# Altium PCB Discharge_C2.PcbDoc (part 2 of 2)
Units mm, origin at the board's own origin, x right, y up, seen from the top; angles counter-clockwise.
Board outline 166.97 x 82.45 mm, 4 copper layers (Top Layer, GND, PWR, Bottom Layer), stack 1.369 mm thick; 186 components, 113 nets, 591 pads, 287 vias.
Unrouted connection lines stored in the file: 8.
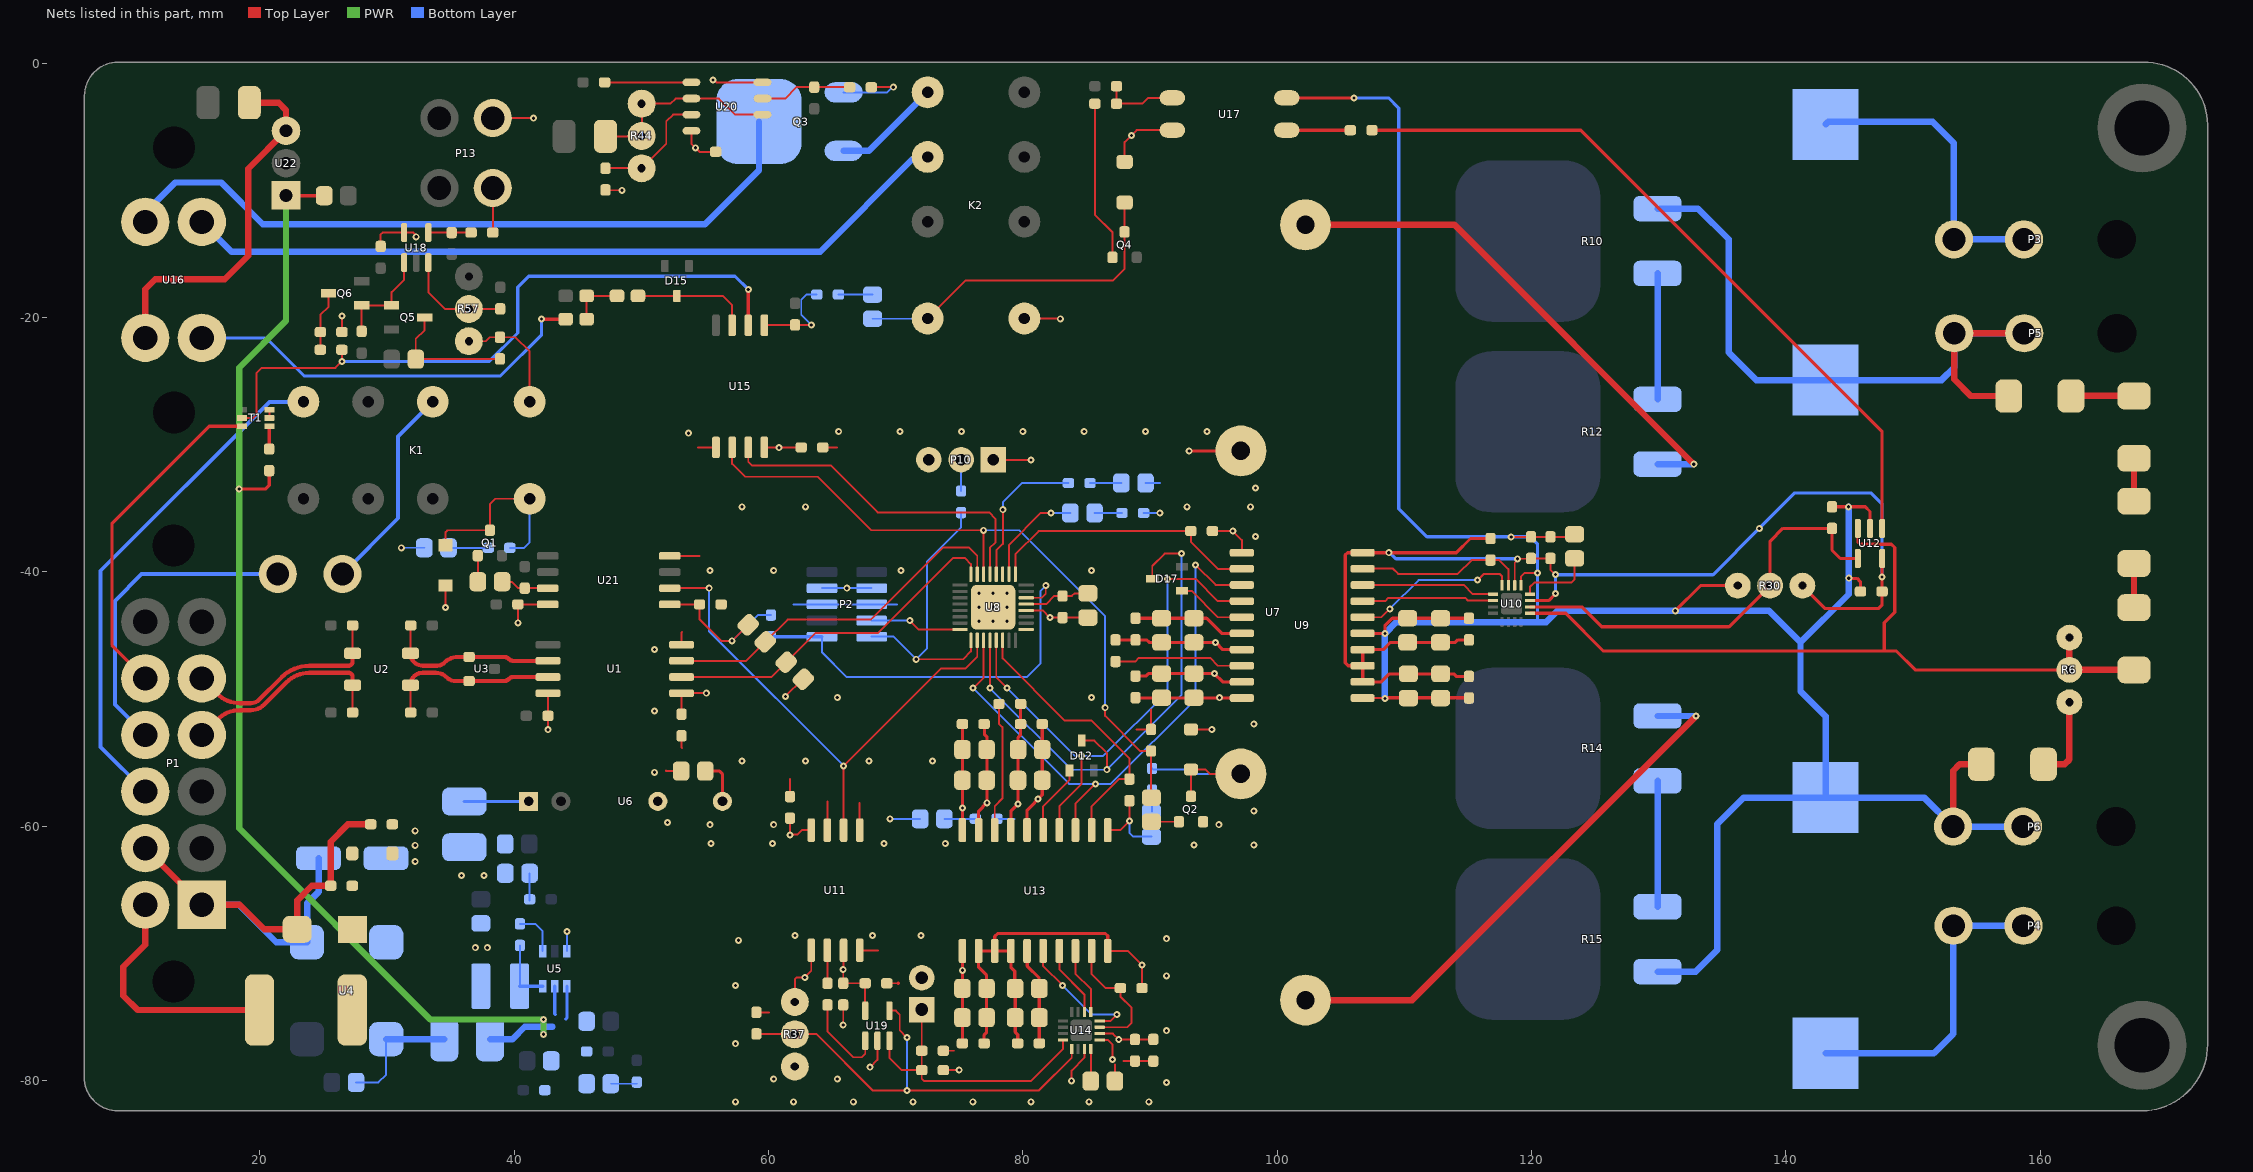
[diagram p4: the nets of this part, all layers, seen from the top]

## Via types
v1: diameter 0.55, hole 0.25, Top Layer to Bottom Layer, tented both sides, 287 vias

## Nets (pads, with @x,y where several pads share a name; then routed paths per layer and width w, separated by ;. In a path a pad name is that pad's centre, name@x,y a point inside that pad or via, vN(x,y) a via of type N, cw(c..) or ccw(c..) an arc to the next point about the centre after c; other vN are vias at no path point) (continued)
0V_(ISO): C2.1 C22.1 C23.1 C24.1 C26.1 C28.1 C29.1 C30.1 C31.1 C35.1 C40.1 C41.1 C48.1 C61.1 C62.1 C63.1 C64.1 C65.1 C66.1 D11.K P2.5 P2.6 P10.3 Q2.S R7.1 R35.2 U1.4 U6.5 U8.5 U9.6 U9.10 U11.5 U11.7 U13.6 U13.10 U15.5 U21.4 | length 66.9
  Top Layer w0.152: 51.943,-55.626 51.969,-55.652 C26.1@53.14,-55.652 ; U21.4@52.247,-38.735 54.585,-38.735 ; C2.1@53.172,-52.881 53.172,-53.807 53.213,-53.848 ; U1.4@53.172,-45.72 53.172,-44.745 53.213,-44.704 ; 54.483,-30.226 54.509,-30.2 U15.5@55.88,-30.2 ; C35.1@61.696,-57.658 61.696,-56.287 61.722,-56.261 ; C48.1@64.282,-30.2 65.379,-30.2 65.405,-30.226 ; U11.7@64.643,-60.299 64.643,-58.039 ; U11.5@67.183,-60.299 67.183,-58.166 ; U8.5@80.273,-42.524 81.835,-42.524 82.472,-41.886 C22.1@83.134,-41.886 83.869,-41.886 84.075,-41.681 C23.1@85.126,-41.681 ; 88.951,-52.377 R35.2@90.094,-52.377 90.094,-50.802
  Top Layer w0.254: U13.10@75.26,-60.299 C61.1@75.26,-56.378 C64.1@75.26,-53.965 C66.1@75.26,-51.956 ; U13.6@80.34,-60.299 80.34,-58.725 81.534,-57.531 81.534,-53.991 C65.1@81.534,-53.965 C63.1@81.534,-51.956 C63.1@81.534,-51.943 ; C30.1@88.875,-49.898 93.462,-49.898 U9.10@97.218,-49.898 ; C41.1@88.875,-43.637 C31.1@90.922,-43.637 C40.1@93.462,-43.637 94.463,-43.637 95.656,-44.831 U9.6@97.23,-44.831
  Bottom Layer w0.152: 61.976,-42.545 P2.5@64.217,-42.545 P2.6@68.117,-42.545 70.104,-42.545 ; R7.1@77.978,-59.41 79.349,-59.41 79.375,-59.436 ; D11.K@89.657,-32.995 90.783,-32.995
  other v1: 93.472,-61.468 98.171,-61.468 55.499,-61.341 60.325,-61.341 69.088,-61.341 73.914,-61.341 55.418,-59.874 60.418,-59.874 95.418,-59.874 52.07,-59.69 98.171,-58.801 75.273,-58.559 81.204,-57.861 51.054,-55.753 57.918,-54.874 62.918,-54.874 67.918,-54.874 72.918,-54.874 98.171,-51.943 51.054,-50.927 65.418,-49.874 85.418,-49.874 95.477,-49.886 51.054,-46.101 76.573,-43.874 77.673,-43.874 78.773,-43.874 76.573,-42.774 77.673,-42.774 78.773,-42.774 76.573,-41.674 77.673,-41.674 78.773,-41.674 55.418,-39.874 60.418,-39.874 70.418,-39.874 85.418,-39.874 98.298,-37.211 57.918,-34.874 62.918,-34.874 92.918,-34.874 97.918,-34.874 98.298,-33.401 53.721,-29.083 65.532,-28.956 70.358,-28.956 75.184,-28.956 80.01,-28.956 84.836,-28.956 89.662,-28.956 94.488,-28.956
3V3: C2.2 C22.2 C23.2 C24.2 C26.2 C28.2 C29.2 C30.2 C31.2 C35.2 C40.2 C41.2 C48.2 C61.2 C62.2 C63.2 C64.2 C65.2 C66.2 D5.A D8.A D9.K P2.7 P2.8 P10.1 R4.1 R16.2 R19.2 R20.2 R21.2 R22.2 R23.2 R40.1 U1.1 U6.7 U7.2 U8.4 U9.1 U9.7 U9.9 U11.8 U13.1 U13.7 U13.9 U15.8 U21.1 | length 96.8
  Top Layer w0.152: U21.1@52.247,-42.545 C24.2@54.585,-42.545 54.585,-43.714 56.28,-45.41 v1(57.15,-45.41) R20.2@58.41,-44.149 ; C2.2@53.172,-51.181 U1.1@53.172,-49.53 v1(55.118,-49.53) ; U15.8@59.69,-30.2 C48.2@62.582,-30.2 ; v1(61.341,-49.784) 62.691,-48.434 R19.2@62.748,-48.434 ; C35.2@61.696,-59.358 v1(61.696,-60.68) 61.743,-60.633 62.303,-60.633 62.637,-60.299 U11.8@63.373,-60.299 ; P10.1@77.699,-31.166 77.724,-31.191 v1(80.645,-31.191) ; U8.4@80.273,-43.024 81.581,-43.024 v1(82.144,-43.586) C22.2@83.134,-43.586 83.137,-43.584 85.123,-43.584 C23.2@85.126,-43.581 ; U13.1@86.69,-60.299 87.682,-60.299 v1(88.392,-59.589) R23.2@88.392,-57.989 ; D9.K@93.233,-52.375 v1(94.869,-52.375) ; R22.2@94.92,-36.779 v1(96.52,-36.779) 97.23,-37.49 U9.1@97.23,-38.481
  Top Layer w0.254: C26.2@55.04,-55.652 56.16,-55.652 56.388,-55.88 U6.7@56.388,-58.039 ; U13.9@76.53,-60.299 76.53,-58.801 v1(77.186,-58.146) 77.186,-52.954 76.986,-52.754 C66.2@76.986,-51.943 ; U13.7@79.07,-60.299 79.07,-58.801 v1(79.634,-58.238) C65.2@79.634,-53.965 79.634,-53.005 79.834,-52.805 C63.2@79.834,-51.956 R40.1@79.834,-50.369 ; R4.1@87.3,-45.337 C41.2@88.875,-45.337 89.736,-45.337 89.936,-45.537 C31.2@90.922,-45.537 C40.2@93.462,-45.537 v1(95.169,-45.537) 95.733,-46.101 U9.7@97.23,-46.101 ; C30.2@88.875,-48.186 89.686,-48.186 89.886,-47.986 C28.2@90.922,-47.986 C29.2@93.462,-47.986 v1(95.077,-47.986) 95.733,-48.641 U9.9@97.23,-48.641 ; v1(93.091,-30.48) U7.2@97.155,-30.48
  Bottom Layer w0.152: v1(57.15,-45.41) 59.175,-43.385 R21.2@60.198,-43.385 ; P2.7@64.217,-41.275 v1(66.167,-41.275) P2.8@68.117,-41.275 ; v1(69.57,-59.41) D5.A@71.936,-59.41 ; v1(88.392,-59.589) 88.392,-60.503 88.691,-60.802 D8.A@90.118,-60.802 ; R16.2@89.508,-35.358 v1(90.783,-35.358)
  other v1: 60.833,-30.226
5kW: P1.8 T1.C2 | length 26.7
  Top Layer w0.254: P1.8@11,-48.367 8.382,-45.749 8.382,-36.195 16.038,-28.539 T1.C2@18.61,-28.539
5kW_Sig: R60.1 T1.B1 U15.2 | length 52.6
  Top Layer w0.152: T1.B1@18.61,-27.889 19.507,-27.889 19.736,-27.661 19.736,-24.384 20.168,-23.952 25.959,-23.952 v1(26.467,-23.444) R60.1@26.467,-22.53
  Top Layer w0.254: U15.2@58.42,-20.6 v1(58.42,-17.78)
  Bottom Layer w0.254: v1(26.467,-23.444) 38.049,-23.444 40.284,-21.209 40.284,-17.602 41.148,-16.739 57.379,-16.739 v1(58.42,-17.78)
5V: C1.2 C18.2 C21.2 C25.2 C47.2 C54.2 C56.2 D4.A D6.A D7.K D13.K K1.16 K2.16 L2.1 L3.2 P13.2 R42.1 R46.2 R56.2 R57.1 R59.2 U1.8 U5.3 U15.1 U17.4 U18.5 U20.4 U20.8 U21.8 | length 54.2
  Top Layer w0.152: R59.2@26.467,-21.133 v1(26.467,-19.863) ; C56.2@29.515,-14.043 29.515,-13.458 29.664,-13.31 U18.5@31.359,-13.31 32.092,-13.31 32.092,-13.32 32.309,-13.537 v1(32.309,-13.644) ; v1(34.62,-42.799) D7.K@34.62,-41.047 ; R57.1@36.508,-21.913 R57.1@36.449,-21.854 37.785,-21.854 38.098,-21.541 R56.2@38.887,-21.541 40.108,-21.541 41.224,-22.657 K1.16@41.224,-26.619 K1.16@41.957,-26.619 ; P13.2@38.329,-4.304 38.335,-4.311 41.522,-4.311 v1(41.529,-4.318) ; v1(40.31,-43.993) C25.2@40.31,-42.545 U21.8@42.647,-42.545 ; v1(42.672,-52.402) C1.2@42.672,-51.308 U1.8@42.672,-49.53 ; R42.1@47.193,-9.955 47.22,-9.982 v1(48.489,-9.982) ; U20.8@53.95,-5.309 53.95,-6.325 54.585,-6.96 C54.2@55.855,-6.96 ; v1(55.651,-1.321) 55.759,-1.321 55.937,-1.499 U20.4@59.538,-1.499 ; U15.1@59.69,-20.6 59.716,-20.574 C47.2@62.103,-20.574 v1(63.373,-20.574) ; K2.16@80.137,-20.066 80.15,-20.079 82.944,-20.079 v1(82.956,-20.091) ; D13.K@88.011,-7.747 88.011,-6.202 88.955,-5.258 90.957,-5.258 U17.4@91.414,-5.715
  Bottom Layer w0.152: v1(31.135,-38.095) D6.A@32.947,-38.095 ; U5.3@44.155,-69.818 v1(44.155,-68.265) ; v1(63.373,-20.574) 62.586,-19.787 62.586,-18.593 62.991,-18.187 R46.2@63.807,-18.187
  other v1: 36.957,-69.545 37.897,-69.545 35.865,-63.856 37.643,-63.856 54.267,-6.642 88.545,-5.668
5V_TSAL: C17.2 U16.2 U22.3 | length 28.8
  Top Layer w0.5: U16.2@11,-21.59 11,-17.778 11.786,-16.993 17.247,-16.993 19.101,-15.138 19.101,-8.28 U22.3@22.073,-5.309 22.073,-3.683 21.488,-3.099 C17.2@19.185,-3.099
BOOT0: P10.2 R24.1 | length 2.4
  Bottom Layer w0.152: R24.1@75.159,-33.63 P10.2@75.159,-31.204
CAN1_F_N: C5.2 U1.6 U2.3 U3.1 | length 13.9
  Top Layer w0.152: U2.3@31.866,-46.384 C5.2@31.866,-44.207
  Top Layer w0.33: U2.3@31.855,-46.395 ccw(c32.83,-46.395) 32.83,-47.37 33.933,-47.37 ccw(c33.933,-46.506) 34.544,-47.117 cw(c35.611,-48.184) 35.611,-46.675 U3.1@36.465,-46.675 39.17,-46.675 cw(c39.17,-47.317) 39.624,-46.863 ccw(c39.931,-46.556) 39.931,-46.99 U1.6@42.672,-46.99
  Top Layer w0.381: U2.3@31.855,-46.395 U2.3@31.866,-46.384 ; C5.2@31.866,-44.207 C5.2@31.877,-44.196
CAN1_F_P: C6.2 U1.7 U2.4 U3.2 | length 13.8
  Top Layer w0.152: C6.2@31.866,-51.043 U2.4@31.866,-48.906
  Top Layer w0.33: U2.4@31.855,-48.895 cw(c32.83,-48.895) 32.83,-47.92 33.85,-47.92 cw(c33.85,-49.081) 34.671,-48.26 ccw(c35.431,-47.5) 35.431,-48.575 U3.2@36.465,-48.575 39.177,-48.575 ccw(c39.177,-47.95) 39.619,-48.392 39.624,-48.387 cw(c39.931,-48.694) 39.931,-48.26 U1.7@42.672,-48.26
  Top Layer w0.381: U2.4@31.855,-48.895 U2.4@31.866,-48.906 ; C6.2@31.866,-51.043 C6.2@31.877,-51.054
CAN1_N: C3.2 P1.5 U2.2 | length 16.6
  Top Layer w0.152: U2.2@27.305,-46.395 C3.2@27.305,-44.218
  Top Layer w0.33: P1.5@15.45,-48.367 16.656,-49.573 ccw(c18.452,-47.777) 18.452,-50.317 19.304,-50.317 ccw(c19.304,-49.396) 19.955,-50.047 21.718,-48.285 cw(c23.903,-50.47) 23.903,-47.38 26.166,-47.38 cw(c26.19,-47.403) 26.19,-47.37 26.975,-47.37 ccw(c26.975,-47.04) 27.208,-47.273 ccw(c26.975,-47.04) 27.305,-47.04 U2.2@27.305,-46.395
CAN1_P: C4.2 P1.4 U2.1 | length 16.7
  Top Layer w0.152: C4.2@27.294,-51.169 U2.1@27.294,-48.992
  Top Layer w0.33: P1.4@15.45,-52.817 16.656,-51.611 cw(c18.452,-53.407) 18.452,-50.867 19.304,-50.867 ccw(c19.304,-49.396) 20.344,-50.436 22.106,-48.674 cw(c23.903,-50.47) 23.903,-47.93 26.394,-47.93 cw(c26.418,-47.953) 26.418,-47.92 26.975,-47.92 cw(c26.975,-48.25) 27.208,-48.017 cw(c26.975,-48.25) 27.305,-48.25 27.305,-48.656 cw(c27.066,-48.656) 27.235,-48.825 U2.1@27.305,-48.895
CAN_TX_INDC: R17.2 U8.12 | length 11.6
  Top Layer w0.152: U8.12@77.923,-40.174 77.923,-38.307 78.435,-37.795 v1(78.435,-35.103)
  Bottom Layer w0.152: v1(78.435,-35.103) 78.435,-34.519 79.944,-33.01 R17.2@83.59,-33.01
CLK_ADC: U13.18 U14.13 | length 5.3
  Top Layer w0.152: U13.18@84.15,-69.799 84.15,-71.577 85.357,-72.784 U14.13@85.357,-74.598
CLK_HV: U9.18 U10.13 | length 10.6
  Top Layer w0.152: U9.18@106.73,-41.021 114.681,-41.021 115.404,-41.744 U10.13@116.99,-41.744
Clock: R43.1 R45.1 U20.3 | length 7.2
  Top Layer w0.152: U20.3@59.538,-2.769 61.316,-2.769 62.205,-1.88 R45.1@63.602,-1.88 R43.1@66.396,-1.88
CS_ADC: R39.1 U13.19 U14.11 | length 10.2
  Top Layer w0.152: U13.19@85.42,-69.799 85.42,-71.628 86.512,-72.72 R39.1@87.681,-72.72 ; U14.11@86.057,-75.798 88.21,-75.798 88.57,-75.438 88.57,-74.27 87.681,-73.381 87.681,-73.101 R39.1@87.465,-72.886
CS_HV: R32.1 U9.19 U10.11 | length 13.6
  Top Layer w0.152: U9.19@106.826,-39.726 109.093,-39.726 109.517,-40.15 114.206,-40.15 115.291,-39.065 R32.1@116.789,-39.065 117.487,-39.065 118.19,-39.768 U10.11@118.19,-41.044
Discharge: R42.2 R44.3 U20.7 | length 9.8
  Top Layer w0.152: R42.2@47.205,-8.243 R44.3@50.037,-8.243 ; R44.3@50.038,-8.255 51.968,-6.325 51.968,-4.572 52.502,-4.039 U20.7@53.95,-4.039 ; R44.3@50.063,-7.458 R44.3@50.353,-7.458
DISCHARGE_DISABLE: R41.1 U16.1 | length 32.4
  Top Layer w0.254: v1(42.164,-20.117) R41.1@44.057,-20.117
  Bottom Layer w0.254: U16.1@15.45,-21.59 20.498,-21.59 23.495,-24.587 38.913,-24.587 42.164,-21.336 v1(42.164,-20.117)
Discharge_Disable_5V: D15.K R47.2 U15.3 | length 9.3
  Top Layer w0.152: R47.2@49.745,-18.288 D15.K@52.807,-18.288 56.413,-18.288 57.15,-19.025 U15.3@57.15,-20.6
GL_IN: K1.9 P1.10 | length 40.3
  Bottom Layer w0.308: P1.10@11,-57.267 7.493,-53.76 7.493,-39.903 20.777,-26.619 K1.9@23.444,-26.619
GL_INT: K1.13 P12.1 | length 16.5
  Bottom Layer w0.308: P12.1@26.505,-40.157 30.886,-35.776 30.886,-29.337 K1.13@33.604,-26.619
GL_OUT: P1.9 P12.2 | length 25.2
  Bottom Layer w0.308: P1.9@11,-52.817 8.611,-50.428 8.611,-42.266 10.719,-40.157 P12.2@21.425,-40.157
GLV+: F1.1 P1.12 | length 19
  Top Layer w0.5: P1.12@11,-66.167 11,-69.322 9.275,-71.047 9.275,-73.308 10.414,-74.447 F1.1@19.98,-74.447
GLV-: C11.1 C12.1 C13.1 D3.K P1.1 P1.11 U4.4 | length 43.6
  Top Layer w0.5: P1.11@11,-61.717 P1.1@15.45,-66.167
  Top Layer w0.508: P1.1@15.45,-66.167 18.433,-66.167 20.364,-68.097 D3.K@22.95,-68.097 22.95,-65.823 24.105,-64.668 C11.1@25.58,-64.668 25.58,-61.205 26.942,-59.842 C12.1@28.68,-59.842
  Bottom Layer w0.508: P1.1@15.45,-66.167 18.364,-66.167 21.311,-69.113 U4.4@23.727,-69.113 23.724,-69.11 23.724,-66.065 24.63,-65.159 C13.1@24.63,-62.509
GND_PDOC: C36.1 C37.1 C38.1 C39.1 C44.1 C45.1 C46.1 C58.1 C59.1 C60.1 C67.1 C68.1 C69.1 P11.1 R37.3 U11.4 U13.11 U13.15 U14.9 U19.2 | length 29.5
  Top Layer w0.152: C39.1@59.055,-74.627 60.071,-74.627 ; v1(65.888,-75.616) C37.1@65.888,-74.041 ; U11.4@67.183,-69.749 68.606,-69.749 ; v1(67.996,-78.943) 68.57,-78.369 U19.2@68.57,-77.495 ; C38.1@69.315,-72.339 70.206,-72.339 ; C36.1@73.762,-77.648 74.59,-77.648 ; U13.11@75.248,-69.812 U13.11@75.26,-69.799 ; U14.9@86.057,-76.798 86.694,-76.798 87.071,-77.175 v1(87.071,-78.334) ; C44.1@87.246,-80.035 87.246,-78.715 ; 87.933,-78.459 C45.1@88.824,-78.459 ; C45.1@88.824,-78.459 C46.1@90.272,-78.457
  Top Layer w0.254: 70.206,-72.339 70.231,-72.314 ; C58.1@75.235,-72.669 75.26,-72.644 v1(75.26,-71.323) 75.26,-69.824 U13.11@75.248,-69.812 ; C60.1@75.26,-77.064 C59.1@75.26,-75.047 C58.1@75.26,-72.746 ; U13.15@80.34,-69.799 80.365,-69.824 80.365,-70.992 81.28,-71.907 81.28,-72.72 C67.1@81.306,-72.746 C68.1@81.306,-75.047 C69.1@81.306,-77.064 ; C67.1@81.534,-73.34 C67.1@81.534,-72.136
  other v1: 57.404,-81.661 61.976,-81.661 66.675,-81.661 71.374,-81.661 76.073,-81.661 80.645,-81.661 85.217,-81.661 89.916,-81.661 91.313,-80.137 60.418,-79.874 65.418,-79.874 57.404,-77.089 91.313,-76.073 57.404,-72.517 91.313,-71.755 57.658,-68.961 91.313,-68.834 62.103,-68.58 68.199,-68.58 72.009,-68.58
HB: D10.K U8.10 | length 8.2
  Top Layer w0.152: U8.10@78.923,-40.174 78.923,-37.866 81.432,-35.358 v1(82.221,-35.358)
  Bottom Layer w0.152: v1(82.221,-35.358) D10.K@83.748,-35.358
HIGH_SENSE: P13.1 R58.1 | length 4.8
  Top Layer w0.152: R58.1@38.335,-13.302 P13.1@38.335,-8.567
  Top Layer w0.254: R58.1@38.327,-13.31 R58.1@38.335,-13.302 ; P13.1@38.335,-8.567 P13.1@38.342,-8.56
"HV MC +": P5.1 P5.2 R1.2 R10.1 R26.2 | length 56.7
  Top Layer w0.508: R26.2@157.533,-26.162 154.559,-26.162 153.25,-24.853 P5.2@153.25,-21.226 P5.1@158.75,-21.226
  Bottom Layer w0.508: R10.1@129.918,-11.424 133.09,-11.424 135.509,-13.843 135.509,-22.733 137.685,-24.909 R1.2@143.129,-24.909 152.256,-24.909 153.25,-23.915 P5.2@153.25,-21.226 P5.1@158.75,-21.226
"HV MC-": C19.1 C20.1 C27.1 C32.1 C33.1 C34.1 C42.1 C43.1 C50.1 C51.1 C53.1 P6.1 P6.2 R2.2 R15.2 R30.3 R31.1 U9.11 U9.15 U10.9 U12.2 U17.2 | length 208.4
  Top Layer w0.152: U9.11@106.73,-49.911 106.743,-49.924 108.471,-49.924 v1(108.483,-49.936) ; v1(118.415,-37.236) 118.417,-37.234 C34.1@119.968,-37.234 C33.1@121.492,-37.234 123.197,-37.234 C32.1@123.397,-37.034 C32.1@123.397,-37.034 ; U10.9@119.19,-41.044 119.192,-41.042 119.192,-40.345 119.46,-40.077 v1(120.476,-40.077)
  Top Layer w0.254: U17.2@100.762,-2.718 v1(106.045,-2.718) ; U9.15@106.73,-44.831 v1(108.483,-44.831) 108.483,-44.221 109.068,-43.637 C19.1@110.272,-43.637 C20.1@112.862,-43.637 C27.1@115.087,-43.637 ; v1(108.483,-49.936) 108.54,-49.88 114.966,-49.88 C53.1@115.087,-49.759 ; v1(131.318,-43.053) 133.299,-41.072 R30.3@136.23,-41.072 ; C50.1@143.637,-34.876 v1(144.946,-34.876) 146.255,-34.876 146.624,-35.245 U12.2@146.624,-36.576 ; v1(144.958,-40.488) 144.979,-40.509 145.614,-40.509 145.874,-40.769 C51.1@145.874,-41.529
  Top Layer w0.508: P6.2@153.162,-60.022 153.162,-55.626 153.67,-55.118 R31.1@155.374,-55.118
  Bottom Layer w0.254: v1(106.045,-2.718) 108.763,-2.718 109.576,-3.531 109.576,-35.027 111.785,-37.236 v1(118.415,-37.236) 119.943,-37.236 120.476,-37.77 v1(120.476,-40.077) 120.476,-43.935
  Bottom Layer w0.508: v1(108.483,-49.936) v1(108.483,-44.831) 109.379,-43.935 120.476,-43.935 121.165,-43.935 122.047,-43.053 v1(131.318,-43.053) 138.684,-43.053 141.16,-45.53 ; R15.2@129.918,-71.423 132.92,-71.423 134.62,-69.723 134.62,-59.817 136.701,-57.736 R2.2@143.129,-57.736 ; v1(144.946,-34.876) 144.946,-41.744 141.16,-45.53 ; P6.1@158.662,-60.022 P6.2@153.162,-60.022 150.876,-57.736 R2.2@143.129,-57.736 ; 141.16,-45.53 141.16,-49.376 143.129,-51.344 R2.2@143.129,-57.736
HVVDD: C19.2 C20.2 C27.2 C33.2 C34.2 C42.2 C43.2 C51.2 C53.2 R30.1 R32.2 U9.12 U9.13 U9.14 U9.20 U10.7 U10.10 U12.5 | length 107.3
  Top Layer w0.152: U10.10@118.69,-41.044 118.69,-39.278 118.901,-39.067 v1(118.901,-38.96) 119.943,-38.96 C34.2@119.968,-38.934 C33.2@121.492,-38.934 121.492,-39.806 v1(121.895,-40.208)
  Top Layer w0.254: C53.2@115.087,-48.211 114.099,-48.211 113.899,-48.011 C42.2@112.867,-48.011 C43.2@110.327,-48.011 108.834,-48.011 108.204,-48.641 U9.12@106.73,-48.641 U9.13@106.73,-47.371 ; C27.2@115.087,-45.337 114.226,-45.337 114.026,-45.537 C20.2@112.862,-45.537 C19.2@110.272,-45.537 108.92,-45.537 108.356,-46.101 U9.14@106.73,-46.101 U9.13@106.73,-47.371 ; R32.2@116.789,-37.365 115.213,-37.365 114.097,-38.481 v1(108.788,-38.481) U9.20@106.73,-38.481 105.537,-38.481 105.359,-38.659 105.359,-47.142 105.588,-47.371 U9.13@106.73,-47.371 ; U10.7@119.89,-42.244 121.35,-42.244 121.895,-41.7 v1(121.895,-41.681) ; R30.1@141.31,-41.072 143.114,-42.875 147.269,-42.875 147.574,-42.57 C51.2@147.574,-41.529 v1(147.574,-40.386) U12.5@147.574,-38.938
  Bottom Layer w0.254: v1(108.788,-38.481) 108.868,-38.481 109.346,-38.96 v1(118.901,-38.96) ; v1(121.895,-41.681) v1(121.895,-40.208) 134.29,-40.208 v1(137.922,-36.576) 140.716,-33.782 146.685,-33.782 147.574,-34.671 v1(147.574,-40.386)
MISO_ADC: U13.16 U14.12 | length 10.1
  Top Layer w0.152: U13.16@81.61,-69.799 81.61,-70.984 v1@83.134,-72.508 ; U14.12@86.057,-75.298 86.907,-75.298 v1(87.401,-74.803)
  Bottom Layer w0.152: v1(83.134,-72.517) 85.42,-74.803 v1(87.401,-74.803)
MISO_HV: U9.16 U10.12 | length 13.1
  Top Layer w0.152: U9.16@106.73,-43.561 108.204,-43.561 v1(108.864,-42.901) ; v1(115.773,-40.64) 116.256,-40.157 117.5,-40.157 117.688,-40.345 117.688,-41.042 U10.12@117.69,-41.044
  Bottom Layer w0.152: v1(108.864,-42.901) 111.125,-40.64 v1(115.773,-40.64)
MOSI_ADC: U13.17 U14.14 | length 5.6
  Top Layer w0.152: U13.17@82.88,-69.799 82.88,-71.247 84.857,-73.224 U14.14@84.857,-74.598
MOSI_HV: U9.17 U10.14 | length 10.5
  Top Layer w0.152: U9.17@106.73,-42.291 108.509,-42.291 108.763,-42.037 114.808,-42.037 115.015,-42.244 U10.14@116.99,-42.244
NetC7_1: C7.1 L2.2 U5.6 | length 5
  Bottom Layer w0.152: L2.2@40.437,-72.568 40.462,-72.542 C7.1@40.462,-69.367
  Bottom Layer w0.254: L2.2@40.437,-72.568 U5.6@42.255,-72.568
NetC7_2: C7.2 U5.1 | length 3.6
  Bottom Layer w0.152: C7.2@40.462,-67.667 41.658,-67.667 42.255,-68.265 U5.1@42.255,-69.818
NetC8_2: C8.2 L1.2 U4.2 | length 10
  Bottom Layer w0.152: C8.2@27.583,-80.136 29.338,-80.136 29.947,-79.527 U4.2@29.947,-76.733
  Bottom Layer w0.508: U4.2@29.947,-76.733 L1.2@34.519,-76.733
NetC11_2: C11.2 D1.A D3.A F1.2
NetC32_2: C32.2 U10.8 | length 6
  Top Layer w0.152: U10.8@119.89,-41.744 119.89,-41.171 120.222,-40.839 123.143,-40.839 123.397,-40.585 C32.2@123.397,-38.934
NetC36_2: C36.2 P11.2 R33.1 U14.4 U19.3 | length 22.7
  Top Layer w0.152: U19.3@69.517,-76.858 69.517,-78.204 70.485,-79.172 R33.1@72.062,-79.172 ; P11.2@72.062,-74.411 C36.2@72.062,-77.648 R33.1@72.062,-79.172 ; U14.4@83.157,-76.798 83.157,-77.524 80.645,-80.035 72.263,-80.035 72.062,-79.834 R33.1@72.062,-79.172
NetC39_2: C39.2 R37.2 U14.5 U19.4 | length 35.6
  Top Layer w0.152: C39.2@59.055,-76.327 63.754,-76.327 68.199,-80.772 v1(70.891,-80.772) 81.28,-80.772 83.857,-78.195 U14.5@83.857,-77.498 ; U19.4@69.517,-74.496 70.025,-74.496 70.333,-74.803 70.333,-76.048 v1(70.891,-76.606)
  Bottom Layer w0.152: v1(70.891,-80.772) v1(70.891,-76.606)
NetC44_2: C44.2 U14.8 | length 2.5
  Top Layer w0.152: C44.2@85.357,-80.032 U14.8@85.357,-77.498
NetC50_2: C50.2 R30.2 U10.6 U12.4 | length 33.6
  Top Layer w0.254: U10.6@119.89,-42.744 123.973,-42.744 125.527,-44.298 135.544,-44.298 R30.2@138.77,-41.072 138.77,-37.582 139.776,-36.576 C50.2@143.637,-36.576 143.637,-38.278 144.297,-38.938 U12.4@145.674,-38.938
NetC52_2: C52.2 U20.5 | length 6.8
  Top Layer w0.152: C52.2@47.124,-1.499 U20.5@53.95,-1.499
NetC55_2: C55.2 R57.2 U18.3 | length 8.5
  Top Layer w0.152: U18.3@33.259,-15.672 33.259,-18.019 34.554,-19.314 R57.2@36.449,-19.314 C55.2@38.913,-19.314
NetC57_2: C57.2 R58.2 U18.4 | length 3.4
  Top Layer w0.152: U18.4@33.259,-13.31 35.296,-13.31 R58.2@36.627,-13.31
NetD2_K: D2.K R3.2 | length 2.1
  Bottom Layer w0.152: D2.K@47.608,-80.239 R3.2@49.659,-80.239
NetD4_K: D4.K R5.2 | length 2.1
  Bottom Layer w0.152: R5.2@41.22,-65.828 D4.K@41.22,-63.69
NetD5_K: D5.K R7.2 | length 2.4
  Bottom Layer w0.152: D5.K@73.836,-59.41 R7.2@76.278,-59.41
NetD6_K: D6.K R8.2 | length 3.1
  Bottom Layer w0.152: D6.K@34.852,-38.1 R8.2@37.973,-38.1
  Bottom Layer w0.254: D6.K@34.847,-38.095 D6.K@34.852,-38.1
NetD7_A: D7.A K1.1 Q1.D R8.1 | length 15.1
  Top Layer w0.152: D7.A@34.62,-37.897 34.62,-36.868 34.769,-36.719 Q1.D@38.1,-36.719 38.1,-34.671 38.532,-34.239 K1.1@41.224,-34.239
  Bottom Layer w0.152: R8.1@39.673,-38.1 40.792,-38.1 41.224,-37.668 K1.1@41.224,-34.239
NetD8_K: D8.K R13.2 | length 1.7
  Bottom Layer w0.152: D8.K@90.17,-58.854 R13.2@90.17,-57.15
NetD9_A: D9.A Q2.D R13.1 U7.3 | length 13.3
  Top Layer w0.152: Q2.D@93.233,-57.639 D9.A@93.233,-55.525 94.336,-55.525 94.691,-55.88 U7.3@97.155,-55.88
  Bottom Layer w0.152: R13.1@90.17,-55.45 90.244,-55.524 93.116,-55.524 93.472,-55.88 U7.3@97.155,-55.88
NetD10_A: D10.A R16.1 | length 2.2
  Bottom Layer w0.152: D10.A@85.648,-35.358 R16.1@87.808,-35.358
NetD11_A: D11.A R17.1 | length 2.5
  Bottom Layer w0.152: R17.1@85.29,-33.01 D11.A@87.757,-33.01
NetD12_A: D12.A U13.5 | length 5.6
  Top Layer w0.152: U13.5@81.61,-60.299 81.61,-58.42 83.683,-56.348 D12.A@83.683,-55.608
NetD12_K: D12.K D17.K U8.28 | length 42.4
  Top Layer w0.152: v1(77.419,-49.124) 77.421,-49.122 77.421,-45.375 U8.28@77.42,-45.374 ; D12.K@84.633,-53.258 85.643,-53.258 86.614,-54.229 v1(86.614,-55.55) ; D17.K@90.189,-40.538 90.189,-39.529 91.16,-38.557 v1(92.481,-38.557)
  Bottom Layer w0.152: v1(77.419,-49.124) 83.845,-55.55 v1(86.614,-55.55) 92.481,-49.683 v1(92.481,-38.557)
NetD13_A: D13.A D14.K K2.1 Q4.D | length 26.6
  Top Layer w0.152: K2.1@72.517,-20.066 75.489,-17.094 87.071,-17.094 88.011,-16.154 Q4.D@88.011,-13.259 D13.A@88.011,-10.947
  Bottom Layer w0.152: D14.K@68.2,-20.087 K2.1@72.517,-20.087
NetD14_A: D14.A R46.1 | length 2.7
  Bottom Layer w0.152: R46.1@65.507,-18.187 D14.A@68.2,-18.187
NetD16_A: D16.A Q5.D R56.1 | length 10.2
  Top Layer w0.152: Q5.D@32.974,-19.985 32.974,-20.976 32.274,-21.676 D16.A@32.274,-23.266 R56.1@38.887,-23.266
NetD17_A: D17.A U9.5 | length 5.6
  Top Layer w0.152: D17.A@92.539,-41.488 93.279,-41.488 95.352,-43.561 U9.5@97.23,-43.561
NetK2_8: K2.8 Q3.S | length 8.5
  Bottom Layer w0.5: Q3.S@65.913,-6.886 67.917,-6.886 K2.8@72.517,-2.286
NetL3_1: L3.1 U6.1 | length 5.1
  Bottom Layer w0.254: L3.1@36.09,-58.039 U6.1@41.148,-58.039
NetP3_1: P3.1 P3.2 R1.1 | length 23.9
  Bottom Layer w0.508: R1.1@143.129,-4.809 143.327,-4.611 151.55,-4.611 153.225,-6.286 P3.2@153.225,-13.843 153.441,-13.843 P3.1@158.725,-13.843
NetP4_1: P4.1 P4.2 R2.1 | length 24.8
  Bottom Layer w0.508: R2.1@143.129,-77.836 151.653,-77.836 153.162,-76.327 153.162,-67.818 P4.1@158.817,-67.818
NetQ1_G: Q1.G R9.2 | length 2.1
  Top Layer w0.152: R9.2@37.156,-40.76 Q1.G@37.156,-38.725
  Top Layer w0.254: Q1.G@37.15,-38.719 Q1.G@37.156,-38.725 ; R9.2@37.156,-40.76 R9.2@37.162,-40.766
NetQ2_G: Q2.G R11.2 | length 2.2
  Top Layer w0.152: R11.2@90.119,-59.639 Q2.G@92.283,-59.639
NetQ3_G: Q3.G R43.2 | length 5.8
  Top Layer w0.152: R43.2@68.096,-1.88 v1(69.825,-1.88)
  Bottom Layer w0.152: Q3.G@65.913,-2.286 69.338,-2.286 69.745,-1.88 v1(69.825,-1.88)
NetQ4_G: Q4.G R36.2 | length 12.7
  Top Layer w0.152: R36.2@85.676,-3.175 85.676,-11.914 87.061,-13.299 Q4.G@87.061,-15.259
NetQ5_G: Q5.G Q6.G R61.2 U18.1 | length 8.2
  Top Layer w0.152: R61.2@28.021,-21.084 Q6.G@28.021,-19.035 Q5.G@30.374,-19.035 30.374,-17.988 31.359,-17.003 U18.1@31.359,-15.672
NetQ6_D: Q6.D R59.1 R60.2 | length 4.7
  Top Layer w0.152: R60.2@24.767,-22.555 24.767,-21.158 24.767,-19.81 ; 24.767,-19.785 25.421,-19.131 Q6.D@25.421,-18.085
NetR4_2: R4.2 U9.8 | length 10.3
  Top Layer w0.152: R4.2@87.3,-47.041 88.849,-47.041 89.129,-46.761 94.742,-46.761 95.352,-47.371 U9.8@97.23,-47.371
NetR6_1: R6.1 R31.2 | length 6.7
  Top Layer w0.508: R31.2@160.274,-55.118 161.925,-55.118 162.306,-54.737 R6.1@162.306,-50.239
NetR6_2: R6.2 R6.3 R29.1 U10.5 U12.3 | length 64.5
  Top Layer w0.152: 147.752,-46.169 147.803,-46.22
  Top Layer w0.254: U10.5@119.89,-43.244 122.695,-43.244 125.671,-46.22 147.803,-46.22 148.709,-46.22 150.188,-47.699 R6.2@162.306,-47.699 ; U12.3@145.674,-36.576 145.674,-37.622 145.872,-37.821 148.311,-37.821 148.565,-38.075 148.565,-43.18 147.752,-43.993 147.752,-46.169
  Top Layer w0.508: R6.3@162.306,-45.159 R6.2@162.306,-47.699 R29.1@167.386,-47.699
NetR9_1: R9.1 R18.1 U21.7 | length 3.8
  Top Layer w0.152: R9.1@39.062,-40.766 39.088,-40.793 39.851,-40.793 40.304,-41.246 40.814,-41.246 R18.1@40.843,-41.275 U21.7@42.647,-41.275
NetR10_2: R10.2 R12.1 | length 9.9
  Bottom Layer w0.508: R12.1@129.918,-26.424 R10.2@129.918,-16.524
NetR11_1: R11.1 R35.1 U8.14 U15.6 | length 55.3
  Top Layer w0.152: U15.6@57.15,-30.2 57.15,-31.496 58.166,-32.512 63.881,-32.512 68.088,-36.719 v1(76.923,-36.719) U8.14@76.923,-40.174 ; v1(86.487,-50.673) 86.487,-51.308 89.256,-54.077 R35.1@90.094,-54.077 90.094,-57.714 R11.1@90.119,-57.739
  Bottom Layer w0.152: v1(76.923,-36.719) 79.721,-36.719 86.487,-43.485 v1(86.487,-50.673)
NetR12_2: R12.2 U7.1 | length 41.2
  Top Layer w0.508: U7.1@102.235,-12.7 113.945,-12.7 v1(132.769,-31.524)
  Bottom Layer w0.508: R12.2@129.918,-31.524 v1(132.769,-31.524)
NetR14_1: R14.1 U7.4 | length 43
  Top Layer w0.508: U7.4@102.235,-73.66 110.617,-73.66 v1(132.954,-51.323)
  Bottom Layer w0.508: R14.1@129.918,-51.323 v1(132.954,-51.323)
NetR14_2: R14.2 R15.1 | length 9.9
  Bottom Layer w0.508: R15.1@129.918,-66.323 R14.2@129.918,-56.423
NetR19_1: R19.1 U1.2 U8.16 | length 27.6
  Top Layer w0.152: U1.2@53.172,-48.26 60.235,-48.26 R19.1@61.404,-47.09 63.689,-44.806 68.605,-44.806 74.498,-38.913 75.463,-38.913 75.923,-39.373 U8.16@75.923,-40.174
NetR20_1: R20.1 U1.3 U8.15 | length 28.7
  Top Layer w0.152: U1.3@53.172,-46.99 58.256,-46.99 R20.1@59.754,-45.493 61.508,-43.739 68.047,-43.739 73.711,-38.075 75.794,-38.075 76.423,-38.704 U8.15@76.423,-40.174
NetR22_1: R22.1 U8.9 U9.2 | length 21.9
  Top Layer w0.152: U8.9@79.423,-40.174 79.423,-38.611 81.255,-36.779 R22.1@93.22,-36.779 93.22,-37.619 95.352,-39.751 U9.2@97.23,-39.751
NetR23_1: R23.1 U8.30 U13.2 | length 22
  Top Layer w0.152: U8.30@78.423,-45.374 78.423,-46.8 83.312,-51.689 85.42,-51.689 88.392,-54.661 R23.1@88.392,-56.289 87.552,-56.289 85.42,-58.42 U13.2@85.42,-60.299
NetR25_1: R25.1 U12.1 | length 57.5
  Top Layer w0.254: R25.1@107.466,-5.258 123.876,-5.258 147.574,-28.956 U12.1@147.574,-36.576
NetR25_2: R25.2 U17.1 | length 5
  Top Layer w0.254: U17.1@100.762,-5.258 R25.2@105.766,-5.258
NetR26_1: R26.1 R27.2 | length 5
  Top Layer w0.254: R26.1@162.433,-26.126 R26.1@162.451,-26.144 ; R27.2@167.368,-26.144 R27.2@167.386,-26.162
  Top Layer w0.508: R26.1@162.451,-26.144 R27.2@167.368,-26.144
NetR27_1: R27.1 R28.2 | length 3.4
  Top Layer w0.508: R28.2@167.386,-34.434 R27.1@167.386,-31.062
NetR28_1: R28.1 R29.2 | length 3.5
  Top Layer w0.508: R29.2@167.386,-42.799 R28.1@167.386,-39.334
NetR34_1: R34.1 U19.1 | length 7
  Top Layer w0.152: R34.1@64.643,-74.041 64.643,-76.124 66.675,-78.156 67.358,-78.156 67.617,-77.897 U19.1@67.617,-76.858
NetR34_2: R34.2 U11.2 | length 2.7
  Top Layer w0.152: R34.2@64.643,-72.341 U11.2@64.643,-69.622
NetR40_2: R40.2 U13.8 | length 10.3
  Top Layer w0.152: U13.8@77.8,-60.299 77.8,-58.42 78.41,-57.811 78.41,-52.197 78.13,-51.918 R40.2@78.13,-50.369
NetR41_2: R41.2 R47.1 R48.2 | length 4.2
  Top Layer w0.152: R41.2@45.707,-20.117 R48.2@45.707,-18.288 R47.1@48.095,-18.288
NetR49_2: R49.2 T1.E2 | length 1.8
  Top Layer w0.254: R49.2@20.752,-30.328 20.756,-30.323 20.756,-28.543 T1.E2@20.76,-28.539
NetT1_B2: T1.B2 T1.C1 | length 0.7
  Top Layer w0.152: T1.B2@20.76,-27.889 T1.C1@20.76,-27.239
NetU8_13: U8.13 U15.7 | length 27
  Top Layer w0.152: U15.7@58.42,-30.2 58.42,-31.347 58.696,-31.623 64.897,-31.623 68.588,-35.314 77.351,-35.314 77.851,-35.814 77.851,-37.684 77.423,-38.112 U8.13@77.423,-40.174
NetU8_26: U8.26 U11.6 U21.2 | length 41.9
  Top Layer w0.152: U21.2@52.247,-41.275 v1(55.347,-41.275) ; U11.6@65.913,-60.299 v1(65.913,-55.245) 73.584,-47.574 75.514,-47.574 76.423,-46.665 U8.26@76.423,-45.374
  Bottom Layer w0.152: v1(55.347,-41.275) 55.347,-44.679 v1(65.913,-55.245)
NetU8_27: U8.27 U9.3 U13.3 | length 46.6
  Top Layer w0.152: v1(76.098,-49.124) 76.92,-48.302 U8.27@76.92,-45.374 ; U13.3@84.15,-60.299 84.15,-58.235 v1(85.718,-56.667) ; v1(93.599,-39.453) 95.167,-41.021 U9.3@97.23,-41.021
  Bottom Layer w0.152: v1(76.098,-49.124) 83.642,-56.667 v1(85.718,-56.667) 86.919,-56.667 93.599,-49.988 v1(93.599,-39.453)
NetU8_29: U8.29 U9.4 U13.4 | length 43
  Top Layer w0.152: U8.29@77.92,-45.374 77.92,-48.278 v1(78.765,-49.124) ; U13.4@82.88,-60.299 82.88,-58.42 84.633,-56.668 v1(84.633,-54.458) ; v1(91.389,-40.538) 93.599,-40.538 95.352,-42.291 U9.4@97.23,-42.291
  Bottom Layer w0.152: v1(78.765,-49.124) 84.099,-54.458 v1(84.633,-54.458) 86.335,-54.458 91.389,-49.403 v1(91.389,-40.538)
NRST: P2.1 R21.1 U8.6 | length 32.3
  Top Layer w0.152: U8.6@80.273,-42.024 81.496,-42.024 81.813,-41.707 v1(81.813,-41.072)
  Bottom Layer w0.152: P2.1@64.217,-45.085 64.217,-46.31 66.167,-48.26 80.315,-48.26 81.407,-47.168 81.407,-41.478 v1(81.813,-41.072)
  Bottom Layer w0.254: R21.1@60.198,-45.085 P2.1@64.217,-45.085
SWCLK: P2.2 R24.2 U8.25 | length 22.7
  Top Layer w0.152: v1(71.628,-46.863) 75.311,-46.863 75.923,-46.251 U8.25@75.923,-45.374
  Bottom Layer w0.152: P2.2@68.117,-45.085 69.85,-45.085 v1(71.628,-46.863) 72.466,-46.025 72.466,-39.192 75.159,-36.5 R24.2@75.159,-35.33
SWDIO: P2.4 U8.24 | length 7.2
  Top Layer w0.152: v1(71.12,-43.815) 71.829,-44.524 U8.24@75.073,-44.524
  Bottom Layer w0.152: P2.4@68.117,-43.815 v1(71.12,-43.815)
Trigger: C49.2 R44.1 R44.2 U20.2 U20.6 | length 14.8
  Top Layer w0.152: C49.2@47.193,-5.74 R44.2@50.03,-5.74 ; R44.1@50.038,-3.175 R44.1@50.063,-3.175 ; R44.2@50.063,-4.918 R44.1@50.063,-3.175 ; U20.2@59.538,-4.039 57.379,-4.039 56.109,-2.769 U20.6@53.95,-2.769 52.705,-2.769 52.299,-3.175 R44.1@50.063,-3.175
TSAL_ACTIVE: R36.1 R38.1 U17.3 | length 5.9
  Top Layer w0.152: R38.1@87.376,-1.803 R36.1@87.376,-3.175 89.408,-3.175 89.865,-2.718 U17.3@91.762,-2.718
TSAL_GREEN: K2.6 U16.3 | length 61.1
  Bottom Layer w0.5: U16.3@15.45,-12.47 17.788,-14.808 64.067,-14.808 71.279,-7.596 72.287,-7.596 K2.6@72.517,-7.366
TSAL_RED: Q3.D U16.4 | length 56.9
  Bottom Layer w0.5: U16.4@11,-12.47 11,-11.733 13.36,-9.373 16.967,-9.373 20.244,-12.649 55.016,-12.649 59.263,-8.403 Q3.D@59.263,-4.586
UART_RX: U8.1
UART_TX: U8.11
VBAT_D: C12.2 C13.2 D1.K U4.1
  other v1: 32.233,-62.763 32.233,-61.493 32.233,-60.35
VBAT_F: C9.2 C10.2 C14.2 C15.2 C16.2 D2.A L1.1 R49.1 U5.4 U5.5 U22.1 | length 99.4
  Top Layer w0.254: v1(18.39,-33.477) 20.447,-33.477 20.752,-33.172 R49.1@20.752,-32.028
  Top Layer w0.305: U22.1@22.073,-10.389 22.097,-10.413 C16.2@25.072,-10.413
  PWR w0.5: U22.1@22.073,-10.389 22.073,-20.244 18.39,-23.927 18.39,-60.147 33.426,-75.184 v1(42.316,-75.184) v1(42.316,-76.352)
  Bottom Layer w0.254: U5.5@43.205,-72.568 43.205,-74.752 43.256,-74.803 ; 44.069,-75.159 44.155,-75.072 U5.4@44.155,-72.568
  Bottom Layer w0.5: L1.1@38.119,-76.733 39.878,-76.733 40.843,-75.768 43.028,-75.768
VDD_PDOC: C37.2 C38.2 C45.2 C46.2 C58.2 C59.2 C60.2 C67.2 C68.2 C69.2 R33.2 R37.1 R39.2 U11.1 U11.3 U13.12 U13.13 U13.14 U13.20 U14.7 U14.10 U19.5 | length 54.1
  Top Layer w0.152: R37.1@62.078,-73.812 62.078,-72.034 62.23,-71.882 v1(62.865,-71.882) 63.373,-71.374 U11.1@63.373,-69.749 U11.1@63.373,-69.622 ; C37.2@65.888,-72.339 C38.2@67.615,-72.339 U19.5@67.615,-74.493 ; C37.2@65.888,-72.216 v1(65.888,-71.247) 65.9,-71.234 65.9,-69.762 U11.3@65.913,-69.749 ; U19.5@67.617,-75.131 U19.5@67.62,-75.133 ; R33.2@73.762,-79.172 v1(75.006,-79.172) ; v1(83.845,-80.01) 83.845,-79.206 84.857,-78.195 U14.7@84.857,-77.498 ; U14.10@86.057,-76.298 87.093,-76.298 v1(87.552,-76.757) C46.2@90.272,-76.757 ; U13.20@86.69,-69.799 88.265,-69.799 v1(89.381,-70.915) 89.381,-71.655 R39.2@89.381,-72.72
  Top Layer w0.254: C60.2@76.96,-77.064 76.96,-76.405 77.16,-76.205 C59.2@77.16,-75.047 C58.2@77.16,-72.746 77.16,-71.725 76.53,-71.095 U13.12@76.53,-69.799 U13.13@77.8,-69.799 ; C67.2@79.406,-72.73 C67.2@79.406,-72.746 C68.2@79.406,-75.047 79.406,-76.18 79.606,-76.38 C69.2@79.606,-77.064 ; C67.2@79.634,-72.72 79.375,-72.461 79.375,-71.399 79.07,-71.095 U13.14@79.07,-69.799 U13.13@77.8,-69.799 ; U13.20@86.69,-69.799 86.69,-68.606 86.512,-68.428 78.029,-68.428 77.8,-68.657 U13.13@77.8,-69.799
pads on no net: D12.2 D15.2 D17.2 K1.4 K1.6 K1.8 K1.11 K2.9 K2.11 K2.13 P1.0 P1.2 P1.3 P1.6 P1.7 P2.3 P2.9 P2.10 P3. P4. P5. P6. P13.4 R10. R12. R14. R15. U8.2 U8.3 U8.7 U8.8 U8.17 U8.18 U8.19 U8.20 U8.21 U8.22 U8.23 U8.31 U8.32 U10.1 U10.2 U10.3 U10.4 U10.15 U10.16 U10.17 U14.1 U14.2 U14.3 U14.6 U14.15 U14.16 U14.17 U16.0 U21.3 U21.6

## Polygon pours and split planes (outlines as drawn)
0V on Top Layer "0V_Top" (solid, pour order 110): 6.299,-2.413 cw(c8.712,-2.413) 8.712,0 92.964,0 92.964,-22.352 44.45,-22.352 44.45,-61.468 50.546,-67.564 50.546,-82.296 8.839,-82.296 cw(c8.839,-79.756) 6.299,-79.756 6.299,-79.426
0V_(ISO) on Top Layer "0V_(ISO)_TOP" (solid, remove dead copper, pour order 95): 50.546,-28.448 50.546,-59.055 53.467,-61.976 98.806,-61.976 98.806,-28.448
VBAT_D on Top Layer "VBAT_D_TOP" (solid, pour order 89): 29.947,-65.811 31.852,-65.811 32.868,-64.795 32.868,-59.842 31.852,-58.826 29.947,-58.826
NetC11_2 on Top Layer "NetC11_2_TOP" (solid, pour order 88): 26.01,-66.7 26.772,-65.938 26.772,-61.493 26.899,-61.366 27.788,-61.366 27.915,-61.493 27.915,-65.938 28.55,-66.573 28.55,-77.241 28.423,-77.368 26.137,-77.368 26.01,-77.241
GND_PDOC on Top Layer "GND_PDOC_TOP" (solid, remove dead copper, pour order 21): 56.642,-82.169 56.642,-69.088 57.658,-68.072 91.948,-68.072 91.948,-82.169
0V on Bottom Layer "0V_Bottom" (solid, pour order 111): 6.299,-2.413 cw(c8.712,-2.413) 8.712,0 92.964,0 92.964,-22.352 44.45,-22.352 44.45,-61.468 50.546,-67.564 50.546,-82.296 8.839,-82.296 cw(c8.839,-79.756) 6.299,-79.756 6.299,-79.426
5V on Bottom Layer "5V_TOP_1" (solid, pour order 107): 36.805,-74.473 36.576,-74.244 36.576,-67.132 36.754,-66.954 38.075,-66.954 38.227,-67.107 38.227,-74.219 37.973,-74.473
0V_(ISO) on Bottom Layer "0V_(ISO)_BOT" (solid, remove dead copper, pour order 96): 50.546,-28.448 50.546,-59.055 53.467,-61.976 98.806,-61.976 98.806,-28.448
5V on Bottom Layer "5V_BOT_2" (solid, pour order 94): 40.056,-60.3 34.214,-60.3 34.214,-63.119 35.56,-64.465 40.056,-64.465
VBAT_F on Bottom Layer "VBAT_F" (solid, pour order 91): 41.732,-81.051 41.58,-80.899 41.58,-74.27 41.961,-73.889 46.279,-73.889 46.533,-74.143 46.533,-80.874 46.355,-81.051
VBAT_D on Bottom Layer "VBAT_D_BOT" (solid, pour order 90): 28.169,-70.891 32.868,-70.891 32.868,-64.795 32.868,-59.842 31.852,-58.826 28.169,-58.826
GND_PDOC on Bottom Layer "GND_PDOC_BOT" (solid, remove dead copper, pour order 49): 56.642,-82.169 56.642,-69.088 57.658,-68.072 91.948,-68.072 91.948,-82.169
0V on GND "0V_L02_P109" (solid, pour order 109): 6.299,-2.413 cw(c8.712,-2.413) 8.712,0 92.964,0 92.964,-22.352 44.45,-22.352 44.45,-61.468 50.546,-67.564 50.546,-82.296 8.839,-82.296 cw(c8.839,-79.756) 6.299,-79.756 6.299,-79.426
0V_(ISO) on GND "0V_(ISO)_GND" (solid, remove dead copper, pour order 97): 50.546,-28.448 50.546,-59.055 53.467,-61.976 98.806,-61.976 98.806,-28.448
GND_PDOC on GND "GND_PDOC_GND" (solid, remove dead copper, pour order 30): 56.642,-82.169 56.642,-69.088 57.658,-68.072 91.948,-68.072 91.948,-82.169
5V on PWR "5V_L03_P112" (solid, pour order 112): 7.747,-78.562 10.16,-80.975 49.022,-80.975 49.022,-67.869 43.155,-62.001 43.155,-22.149 44.475,-20.828 91.364,-20.828 91.364,-1.473 8.127,-1.473 7.747,-1.873
3V3 on PWR "3V3_PWR" (solid, remove dead copper, pour order 98): 52.07,-29.845 52.07,-58.166 54.356,-60.452 97.155,-60.452 97.155,-29.845
VDD_PDOC on PWR "3V3_PDOC_PWR" (solid, remove dead copper, pour order 31): 57.912,-80.899 57.912,-69.342 90.678,-69.342 90.678,-80.899

## Silkscreen, mask and mechanical layers (free items; w line width, h text height)
Top Overlay:
  circle w0.254: c168.021,-5.08 r5
  circle w0.254: c168.021,-77.216 r5
  region: 6 vertices and 6 holes, not listed, extent 104.927,-59.005 121.158,-55.047
  region: 137.204,-16.65 138.894,-17.132 138.692,-16.619 139.754,-16.923 139.754,-17.151 140.153,-16.752 139.754,-16.353 139.754,-16.536 138.16,-16.035 138.479,-16.672 137.204,-16.035
  region: 137.331,-64.976 139.022,-65.459 138.819,-64.946 139.882,-65.25 139.882,-65.477 140.28,-65.079 139.882,-64.68 139.882,-64.862 138.288,-64.361 138.606,-64.999 137.331,-64.361
  lines w0.152: 50.546,-82.296 50.546,-81.153 50.546,-68.707 50.546,-67.564 44.45,-61.468 44.45,-54.229 44.45,-38.481 44.45,-33.02 44.45,-22.352 52.832,-22.352 92.964,-22.352 92.964,0 ; 56.642,-82.296 56.642,-69.088 57.658,-68.072 91.948,-68.072 91.948,-82.169 ; 95.758,-28.448 50.8,-28.448 50.546,-28.448 ; 98.806,-57.277 98.806,-61.976 94.615,-61.976 58.166,-61.976 53.467,-61.976 50.546,-59.055 50.546,-38.608 50.546,-30.988 50.546,-28.448 ; 98.806,-54.61 98.806,-31.877 ; 99.539,0 99.539,-0.987 99.539,-13.052 99.695,-13.208 104.902,-18.415 104.902,-68.072 100.203,-72.771 100.203,-73.66 100.203,-82.169 ; 140.668,-19.802 140.668,-13.323 ; 140.668,-19.712 135.179,-16.495 140.668,-13.233 ; 140.796,-68.129 140.796,-61.65 ; 140.796,-68.039 135.306,-64.822 140.796,-61.56 ; 50.546,-28.448 50.546,-28.448
  lines w0.254: 77.554,-27.645 78.079,-28.17 ; 77.563,-23.097 78.088,-22.572 78.613,-23.097 ; 78.079,-22.572 78.079,-28.17 ; 78.604,-27.645 78.079,-28.17
  text "HIGH VOLTAGE" at 143.115,-23.503 h2 r90
  text "6.1mm" at 79.463,-27.195 h1.52 r90
  text "HV MC +" at 155.519,-30.08 h2.5
  text "HV MC -" at 163.568,-56.242 h2.5
  text "Discharge Module C2" at 104.927,-60.655 h1.5
  text "L.D - 22/04/2025" at 104.927,-62.027 h1.5
  text "HIGH VOLTAGE" at 143.242,-71.509 h2 r90
Bottom Overlay:
  circle w0.254: c168.021,-5.08 r5
  circle w0.254: c168.021,-77.216 r5
  region: 130.473,-61.608 132.163,-62.09 131.961,-61.577 133.023,-61.881 133.023,-62.109 133.422,-61.71 133.023,-61.311 133.023,-61.494 131.429,-60.993 131.748,-61.63 130.473,-60.993
  region: 140.415,-77.809 140.399,-77.809 140.399,-77.826 140.382,-77.826 140.382,-77.809 140.382,-77.793 140.415,-77.793
  region: 130.219,-21.984 131.909,-22.466 131.707,-21.953 132.769,-22.257 132.769,-22.485 133.168,-22.086 132.769,-21.687 132.769,-21.87 131.175,-21.369 131.494,-22.006 130.219,-21.369
  lines w0.152: 44.45,-38.481 44.45,-30.988 44.45,-22.352 52.832,-22.352 92.964,-22.352 92.964,0 ; 44.45,-38.456 44.45,-54.229 44.45,-61.468 50.546,-67.564 50.546,-68.707 50.546,-82.296 ; 56.642,-82.296 56.642,-81.788 56.642,-69.088 57.658,-68.072 91.948,-68.072 91.948,-82.169 ; 95.758,-28.448 50.8,-28.448 50.546,-28.448 ; 98.806,-57.277 98.806,-61.976 94.615,-61.976 53.467,-61.976 50.546,-59.055 50.546,-38.608 50.546,-30.988 50.546,-28.448 ; 98.806,-54.61 98.806,-31.877 ; 99.539,0 99.539,-0.987 99.539,-13.052 99.695,-13.208 104.902,-18.415 104.902,-68.072 100.203,-72.771 100.203,-73.66 100.203,-82.169 ; 133.683,-25.136 133.683,-18.657 ; 133.683,-25.046 128.194,-21.829 133.683,-18.567 ; 133.937,-64.76 133.937,-58.281 ; 133.937,-64.67 128.448,-61.453 133.937,-58.191 ; 50.546,-28.448 50.546,-28.448
  lines w0.254: 77.554,-27.645 78.079,-28.17 ; 77.555,-23.106 78.08,-22.581 ; 78.604,-27.645 78.079,-28.17 ; 78.605,-23.106 78.08,-22.581 ; 78.079,-28.17 78.079,-22.581
  text "TSAL FREQ. ADJUST" at 43.239,-2.449 h1.5
  text "TP +" at 162.212,-10.066 h2.5
  text "HIGH VOLTAGE" at 136.003,-16.248 h2 r90
  text "5kW REF ADJUST" at 33.46,-20.286 h1.5
  text "6.1mm" at 79.463,-23.145 h1.52 r90
  text "HV MC +" at 164.346,-26.778 h2.5
  text "CAN" at 85.86,-31.285 h1.5
  text "BOOT" at 70.645,-31.539 h1.5
  text "PC13" at 86.165,-38.143 h1.5
  text "GL" at 32.418,-41.165 h1.5
  text "TSAL REF ADJUST" at 138.057,-45.28 h1.5
  text "JTAG" at 67.448,-51.046 h1.5
  text "BIAS ADJUST" at 159.164,-51.351 h1.5
  text "HIGH VOLTAGE" at 136.13,-55.491 h2 r90
  text "HV MC -" at 165.108,-56.217 h2.5
  text "DIS. RELAY" at 88.375,-59.86 h1.5
  text "3V3" at 68.08,-59.885 h1.5
  text "TP -" at 162.441,-73.211 h2.5
  text "PDOC REF ADJUST" at 78.875,-80.256 h1.5
Mechanical 1:
  lines w0.152: 6.299,-4.953 6.301,-2.547 cw(c8.848,-2.547) 8.848,0 18.605,0 37.782,0 47.752,0 102.108,0 160.274,0 168.148,0 ; 6.299,-4.597 6.299,-77.191 6.287,-79.729 ccw(c8.854,-79.729) 8.854,-82.296 160.655,-82.296 168.021,-82.296 ccw(c167.958,-77.152) 173.101,-77.089 173.101,-68.072 173.101,-4.826
  lines w0.156: 168.148,0 cw(c168.212,-4.889) 173.101,-4.826

## Text inside footprints (layer, text, board x,y; h text height)
C13: Bottom Overlay "+" at 21.684,-66.009 h1.52 r180